# KiCad board acorn-motherboard.kicad_pcb (continued)
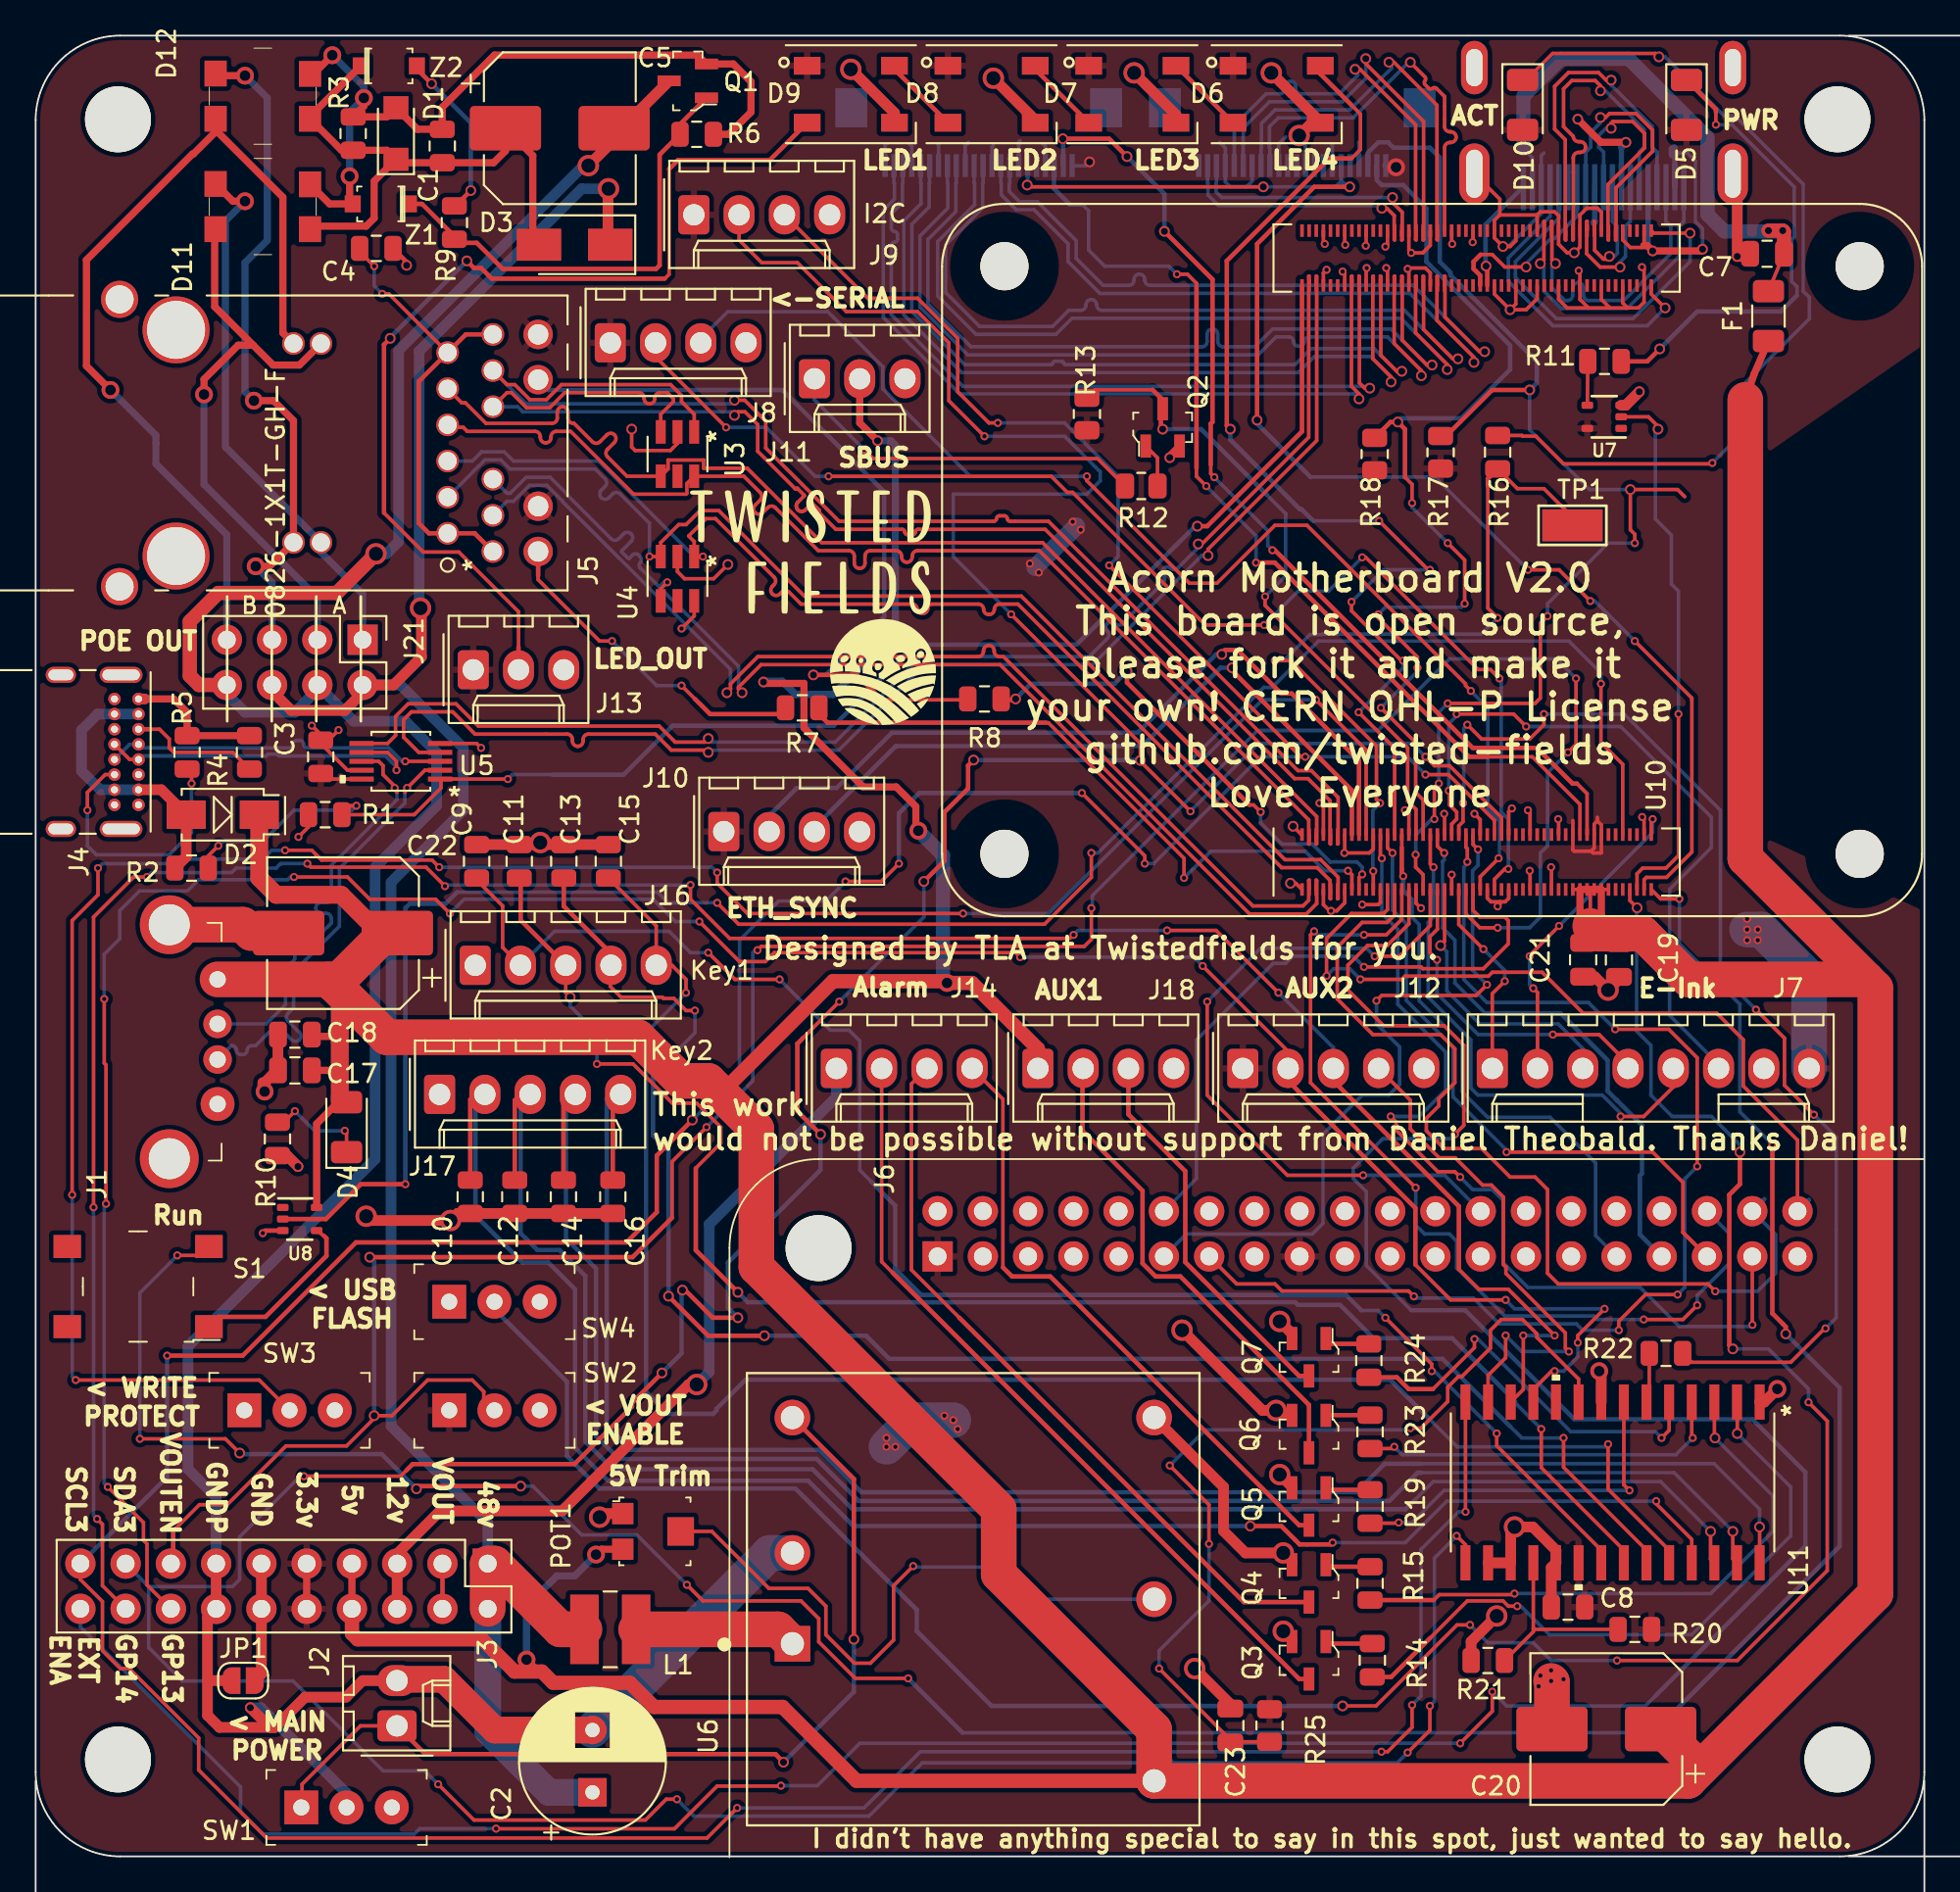
[diagram p0: board, top side]
## Footprints (pads in the part's own frame, mm; a bottom-side part is the same pattern mirrored in y, then rotated) (continued)
SOD-123
  rect 0.9x0.95 smd: A(1.575,0) K(-1.575,0)
SolderJumper-2_P1.3mm_Open_RoundedPad1.0x1.5mm
  custom 1x1.5 smd: 1(-0.65,0) 2(0.65,0)
SOT-23-3
  rect 1.3x0.6 smd: 1(-1.05,0.95) 2(-1.05,-0.95) 3(1.05,0)
SOT-353_SC-70-5
  rrect 0.65x0.4 smd: 1(-0.95,0.65) 2(-0.95,0) 3(-0.95,-0.65) 4(0.95,-0.65) 5(0.95,0.65)
Switch_Slide_9x4mm_ASE1E-2M
  rect 1.9x1.9 hole 0.9: 1(-2.54,0)
  round 1.9 hole 0.9: 2(0,0) 3(2.54,0)
Switch_Tactile_SMD_6x6mm_PTS645
  rect 1.55x1.3 smd: 1(-3.975,2.25) 2(3.975,2.25) 3(-3.975,-2.25) 4(3.975,-2.25)
TE_1747981-1
  rect 0.3x2.6 smd: 1(4.5,0.76) 2(4,0.76) 3(3.5,0.76) 4(3,0.76) 5(2.5,0.76) 6(2,0.76) 7(1.5,0.76) 8(1,0.76) 9(0.5,0.76) 10(0,0.76) 11(-0.5,0.76) 12(-1,0.76) 13(-1.5,0.76) 14(-2,0.76) 15(-2.5,0.76) 16(-3,0.76) 17(-3.5,0.76) 18(-4,0.76) 19(-4.5,0.76)
  oval 1.7x3.4 hole 0.9x2.7: SH1(-7.25,0) SH3(7.25,0)
  oval 1.5x3 hole 0.9x2.1: SH2(-7.25,-5.96) SH4(7.25,-5.96)
TestPoint_Keystone_5015_Micro-Minature
  rect 3.4x1.8 smd: 1(0,0)
Trimpot_3.8mmx3.6mm_TC33X-2-103E
  rect 1.2x1.2 smd: 1(-1,-1.8) 3(1,-1.8)
  rect 1.6x1.5 smd: 2(0,1.45)
USB_A_Female_UE27AC54100
  round 1.9 hole 0.92: 1(-3.5,2.71) 4(3.5,2.71)
  round 1.6 hole 0.92: 2(-1,2.71) 3(1,2.71)
  round 3.3 hole 2.3: SH(-6.57,0) SH(6.57,0)
USB_C_Receptacle_GCT_USB4085
  round 0.7 hole 0.4: A1(0,0) A4(0.85,0) A5(1.7,0) A6(2.55,0) A7(3.4,0) A8(4.25,0) A9(5.1,0) A12(5.95,0) B1(5.95,-1.35) B4(5.1,-1.35) B5(4.25,-1.35) B6(3.4,-1.35) B7(2.55,-1.35) B8(1.7,-1.35) B9(0.85,-1.35) B12(0,-1.35)
  oval 0.9x2.4 hole 0.6x2.1: S1(-1.35,-0.98) S1(7.3,-0.98)
  oval 0.9x1.7 hole 0.6x1.4: S1(-1.35,-4.36) S1(7.3,-4.36)
VLCF4028T-1R2N2R7-2
  rect 1.6x3.9 smd: 1(-1.45,0) 2(1.45,0)

## Nets
+3V3: C3.2 C8.2 D5.2 D6.1 D7.1 D8.1 D9.1 D10.2 J3.9 J3.10 J5.18 J5.20 J6.1 J6.17 J7.8 J8.1 J9.1 J10.1 J12.1 J13.1 J19.22 J20.22 R13.2 R17.1 R18.1 R20.2 R25.2 SW2.1 U5.10 U7.5 U10.78 U10.84 U10.86 U11.20
+5V: C17.1 C18.1 C19.1 C20.1 C21.1 C22.1 D2.1 D4.2 F1.1 J1.1 J3.7 J3.8 J11.2 J18.1 POT1.3 U6.3 U8.5 U10.77 U10.79 U10.81 U10.83 U10.85 U10.87
+15V: J3.5 J3.6 J14.1
+48V: C2.1 D3.1 J3.1 J3.2 J21.2 J21.6 L1.2
GND: C3.1 C4.2 C7.2 C8.1 C9.1 C10.1 C11.1 C12.1 C13.1 C14.1 C15.1 C16.1 C17.2 C18.2 C19.2 C20.2 C21.2 C22.2 C23.1 D6.3 D7.3 D8.3 D9.3 J1.4 J1.SH J3.11 J3.12 J4.A1 J4.A12 J4.B1 J4.B12 J4.S1 J6.6 J6.9 J6.14 J6.20 J6.25 J6.30 J6.34 J6.39 J7.7 J8.4 J9.4 J10.4 J11.3 J12.5 J13.3 J15.2 J15.5 J15.8 J15.11 J15.17 J15.SH1 J15.SH2 J15.SH3 J15.SH4 J16.1 J17.1 J18.4 J19.1 J19.4 J19.7 J19.10 J19.13 J19.16 J19.19 J20.1 J20.4 J20.7 J20.10 J20.13 J20.16 J20.19 JP1.2 POT1.1 Q2.2 Q3.2 Q4.2 Q5.2 Q6.2 Q7.2 R1.2 R4.1 R5.1 R10.2 R21.1 SW3.1 SW4.1 U3.2 U4.2 U5.5 U5.9 U6.5 U7.3 U8.3 U10.1 U10.2 U10.7 U10.8 U10.13 U10.14 U10.22 U10.23 U10.32 U10.33 U10.42 U10.43 U10.52 U10.53 U10.59 U10.60 U10.65 U10.66 U10.71 U10.74 U10.98 U10.107 U10.108 U10.113 U10.114 U10.119 U10.120 U10.125 U10.126 U10.131 U10.132 U10.137 U10.138 U10.144 U10.150 U10.155 U10.156 U10.161 U10.162 U10.167 U10.168 U10.173 U10.174 U10.179 U10.180 U10.185 U10.186 U10.191 U10.192 U10.197 U10.198 U11.1 U11.8 U11.16 U11.17 U11.19
GNDPWR: C2.2 C5.2 J2.2 J3.13 J3.14 J21.4 J21.8 JP1.1 Q1.3 SW1.2 U6.2
/CAM0_C_N: J19.8 U10.140
/CAM0_C_P: J19.9 U10.142
/CAM0_D0_N: J19.2 U10.128
/CAM0_D0_P: J19.3 U10.130
/CAM0_D1_N: J19.5 U10.134
/CAM0_D1_P: J19.6 U10.136
/CAM1_C_N: J20.8 U10.127
/CAM1_C_P: J20.9 U10.129
/CAM1_D0_N: J20.2 U10.115
/CAM1_D0_P: J20.3 U10.117
/CAM1_D1_N: J20.5 U10.121
/CAM1_D1_P: J20.6 U10.123
/CAM1_D2_N: J20.11 U10.133
/CAM1_D2_P: J20.12 U10.135
/CAM1_D3_N: J20.14 U10.139
/CAM1_D3_P: J20.15 U10.141
/HDMI0_CEC: J15.13 U10.151
/HDMI0_CK_N: J15.12 U10.190
/HDMI0_CK_P: J15.10 U10.188
/HDMI0_D0_N: J15.9 U10.184
/HDMI0_D0_P: J15.7 U10.182
/HDMI0_D1_N: J15.6 U10.178
/HDMI0_D1_P: J15.4 U10.176
/HDMI0_D2_N: J15.3 U10.172
/HDMI0_D2_P: J15.1 U10.170
/HDMI0_HOTPLUG: J15.19 U10.153
/HDMI0_SCL: J15.15 U10.200
/HDMI0_SDA: J15.16 U10.199
/HDMI_5v: C7.1 F1.2 J15.18
A2: R20.1 R21.2 U11.18
CAM0_SCL: J19.20 R17.2 U10.35
CAM0_SDA: J19.21 R18.2 U10.36
CAM1_SCL: J20.20 U10.80
CAM1_SDA: J20.21 U10.82
CAM_GPIO: J19.17 J20.17 U10.97
CS1: J6.12 U10.49
CS2: J6.11 U10.50
CS3: J6.36 U10.29
EEPROM_nWP: SW3.2 U10.20
EPD_BUSY: J7.1 U10.45
EPD_CS: J7.4 U10.39
EPD_DC: J7.3 U10.41
EPD_DIN: J7.6 U10.44
EPD_RESET: J7.2 U10.100
EPD_SCK: J7.5 U10.38
ESTOP_IN: J6.31 U10.30
ESTOP_RETURN: J6.33 U10.40
ETH_LEDG: R8.2 U10.17
ETH_LEDY: R7.2 U10.15
ETH_SYNC_IN: J10.3 U10.16
ETH_SYNC_OUT: J10.2 U10.18
EXT_PSU_ENABLE: J3.20 U10.31
GLOBAL_EN: S1.3 U10.99
GP0: C9.2 J16.2 U11.21
GP1: C11.2 J16.3 U11.22
GP2: C13.2 J16.4 U11.23
GP3: C15.2 J16.5 U11.24
GP4: C10.2 J17.2 U11.25
GP5: C12.2 J17.3 U11.26
GP6: C14.2 J17.4 U11.27
GP7: C16.2 J17.5 U11.28
GP8: R14.1 U11.2
GP9: R15.1 U11.3
GP10: R19.1 U11.7
GP11: R23.1 U11.4
GP12: R24.1 U11.5
GP13: J3.16 J12.2 U11.11
GP14: J3.18 J12.3 U11.12
GP15: J12.4 U11.13
GPIO_INT: R22.1 U10.46
IRQ1: J6.37 U10.24
IRQ2: J6.13 U10.48
IRQ3: J6.26 U10.37
MISO: J6.35 U10.26
MOSI: J6.38 U10.27
nPWR_LED: U7.2 U10.95
nRPI_BOOT: SW4.2 U10.93
RC_SBUS: J11.1 R12.1
RUN_PG: U8.2 U10.92
RX: J8.3 U10.51
SBUS_RX: Q2.3 R13.1 U10.34
SCL3: J3.19 J9.3 U10.56 U11.14
SCLK: J6.40 U10.25
SDA3: J3.17 J9.2 U10.58 U11.15
TRD0_N: J5.10 U3.3 U10.10
TRD0_P: J5.11 U3.1 U10.12
TRD1_N: J5.5 U3.4 U10.6
TRD1_P: J5.4 U3.6 U10.4
TRD2_N: J5.2 U4.3 U10.11
TRD2_P: J5.3 U4.1 U10.9
TRD3_N: J5.9 U4.4 U10.5
TRD3_P: J5.8 U4.6 U10.3
TX: J8.2 U10.55
USB_N: U5.6 U10.103
USB_OTG: R1.1 R2.2 U5.1 U10.101
USB_P: U5.4 U10.105
USBA_D_N: J1.2 U5.8
USBA_D_P: J1.3 U5.2
USBC_D_N: J4.A7 J4.B7 U5.7
USBC_D_P: J4.A6 J4.B6 U5.3
USBC_VBUS_IN: D2.2 J4.A4 J4.A9 J4.B4 J4.B9 R2.1
VC1: D11.1 J5.13 J21.1
VC2: D11.2 J5.14 J21.3
VC3: D12.1 J5.15 J21.5
VC4: D12.2 J5.16 J21.7
VOUT: J3.3 J3.4
VOUT_ENABLE: J3.15 SW2.2 U10.47
VOUTN: C1.2 D1.2 D11.3 D12.3 Q1.2 R3.1 R6.1 Z1.A
VOUTP: C1.1 C5.1 D1.1 D3.2 D11.4 D12.4 R3.2 Z2.K
WS2812: D6.4 U10.28
Net-(C4-Pad1): C4.1 J5.1 J5.6 J5.7 J5.12
Net-(C23-Pad2): C23.2 R25.1 U11.9
Net-(D4-Pad1): D4.1 R10.1
Net-(D5-Pad1): D5.1 R11.1
Net-(D6-Pad2): D6.2 D7.4
Net-(D7-Pad2): D7.2 D8.4
Net-(D8-Pad2): D8.2 D9.4
Net-(D9-Pad2): D9.2 J13.2
Net-(D10-Pad1): D10.1 R16.1
Net-(J2-Pad1): J2.1 SW1.1 U6.6
Net-(J4-PadA5): J4.A5 R4.2
Net-(J4-PadB5): J4.B5 R5.2
Net-(J5-Pad17): J5.17 R7.1
Net-(J5-Pad19): J5.19 R8.1
Net-(J14-Pad2): J14.2 Q3.3
Net-(J14-Pad3): J14.3 Q4.3
Net-(J14-Pad4): J14.4 Q5.3
Net-(J18-Pad2): J18.2 Q6.3
Net-(J18-Pad3): J18.3 Q7.3
Net-(L1-Pad1): L1.1 U6.1
Net-(POT1-Pad2): POT1.2 U6.4
Net-(Q1-Pad1): Q1.1 R6.2 R9.1 Z1.K
Net-(Q2-Pad1): Q2.1 R12.2
Net-(Q3-Pad1): Q3.1 R14.2
Net-(Q4-Pad1): Q4.1 R15.2
Net-(Q5-Pad1): Q5.1 R19.2
Net-(Q6-Pad1): Q6.1 R23.2
Net-(Q7-Pad1): Q7.1 R24.2
Net-(R9-Pad2): R9.2 Z2.A
Net-(R11-Pad2): R11.2 U7.4
Net-(R16-Pad2): R16.2 TP1.1 U10.21
Net-(R22-Pad2): R22.2 U11.6
Net-(S1-Pad1): S1.1 U8.4

Pads without a net: J4 A8 B8; J5 21 22 23 24; J6 2 3 4 5 7 8 10 15 16 18 19 21 22 23 24 27 28 29 32; J15 14; J19 11 12 14 15 18 MP; J20 18 MP; S1 2 4; SW1 3; SW2 3; SW3 3; SW4 3; U3 5; U4 5; U7 1; U8 1; U10 19 54 57 61 62 63 64 67 68 69 70 72 73 75 76 88 89 90 91 94 96 102 104 106 109 110 111 112 116 118 122 124 143 145 146 147 148 149 152 154 157 158 159 160 163 164 165 166 169 171 175 177 181 183 187 189 193 194 195 196; U11 10

## Via types
v1: diameter 0.6, hole 0.4, Top to Bottom, 114 vias
v2: diameter 0.45, hole 0.25, Top to Bottom, 276 vias
v3: diameter 1.2, hole 0.8, Top to Bottom, 24 vias
v4: diameter 1, hole 0.6, Top to Bottom, 17 vias

## Routing (per net, layer and track width the routed paths; a pad name or vN(x,y) marks a point on that pad's centre or on a via; arc(x,y) is an arc through that point)
+3V3: length 32.3
  Top w0.2: U5.10 16.32,60.5 C3.2 ; 86.27,58.17 U10.78 86.27,56.53 86.35,56.45 87.3,56.45 ; 15.56,60.5 15.5,60.56 ; 87.65,58.15 87.65,58.35 ; 87.65,58.15 87.47,57.97 U10.84 87.47,56.62 87.3,56.45 ; 87.65,58.15 87.87,57.93 U10.86 87.87,56.37 87.85,56.35 87.4,56.35 87.3,56.45
  Top w0.25: 23.27,24.35 22.55,24.35
  Top w0.4: 43.1,100.36 D9.1 ; J3.9 J3.10
  Bottom w0.2: v1(59.15,95.16) 58.94,94.95 J20.22
  Bottom w0.4: J19.22 76.26,94.95 v4(76.35,94.86)
  Bottom w1: 58.4,74.7 56.1,72.4
  Bottom w2: v2(47.75,23) 49.25,24.5 v2(51.5,24.5) ; v2(96.05,52.05) 96.85,52.05 99.53,49.37 J7.8
  vias: v2(47.75,23.5) v2(48.25,23) v2(51,24.75) v2(51.75,24) v2(55.8,72.6) v2(56.3,72.1) v2(58.2,74.95) v2(58.65,74.5) v2(96.05,52.65) v2(96.05,51.45) v2(96.65,52.05) v2(96.65,51.45)
+5V: length 394.9
  Top w0.2: 87.25,52.25 87.25,54.25 87.2,54.3 U10.81 ; U10.77 U10.79 ; U10.85 U10.87
  Top w0.4: U8.5 15.77,41.14 17.35,42.72 ; F1.1 96.45,83.25 95.95,81.8 ; POT1.3 31.75,17.25 v4(31.45,16.95) ; 17.07,45.73 16.75,46.05 15.5,46.05 ; 28.41,10.38 28.22,10.38 v4(27.55,11.05) ; J11.2 46.25,80.5 v1(47.25,79.5) ; 17.07,44.27 16.94,44.14 C17.1 ; v1(40.85,65.95) 40.93,65.87 43.12,65.87 43.12,63.38 46.44,60.06 48.3,60.06 49.4,58.96 49.4,57.74 v4(49.54,57.6) ; J3.7 J3.8 ; U10.79 U10.81 U10.83 U10.85 87.87,52.87 87.25,52.25 86.67,52.83 U10.79
  Top w0.8: J18.1 56.25,45.35 52.55,49.05 v4(51.15,49.05) 51.05,49.15 44.75,49.15 38.45,42.85 ; J3.8 17.75,12.51 18.07,12.19 25.06,12.19 26.87,10.38 28.41,10.38 29.04,9.75 33.35,9.75 34.71,8.39 41.92,8.39 46.07,4.24 U6.3
  Top w1: 19.3,51.85 17.15,54 13.5,54 12.55,54.95 D2.1 ; 16.75,48.95 17.07,48.63 17.07,42.44
  Top w2: 92.74,4.24 U6.3 62.77,7.13 54.05,15.85 54.05,19.5 40.45,33.1 40.45,40.85 37.75,43.55 36.25,43.55 33.8,46 19.7,46 16.75,48.95 ; 92.74,4.24 92.74,5.61 C20.1 ; 92.74,4.24 103.25,14.75 103.25,48.75 102.75,49.25 ; 102.75,49.25 92.77,49.25 90.2,51.82 87.68,51.82 87.25,52.25 ; 102.75,49.25 95.95,56.05 95.95,81.8 ; J1.1 16.45,49.25 16.75,48.95 ; 16.75,48.95 19.65,51.85 C22.1
  Bottom w0.4: v4(27.55,11.05) 27.55,14.05 29.25,15.75 30.25,15.75 v4(31.45,16.95) ; v1(47.25,79.5) 48,79.5 48.25,79.25 48.25,68.75 44.75,65.25 42.65,65.25 41.9,66 40.9,66 v1(40.85,65.95)
  Bottom w0.8: v4(51.15,49.05) 50.92,49.28 50.92,56.22 v4(49.54,57.6)
+15V: length 44.8
  Top w0.6: v3(37.1,26.5) 36.65,26.5 29.55,19.4 22.7,19.4 20.29,16.99 J3.5 J3.6
  Bottom w0.6: v3(37.1,26.5) 37.8,27.2 37.8,35.5 44.94,42.64 J14.1
+48V: length 125.9
  Top w0.6: J21.6 13.27,65.43 14.35,64.35 17.35,64.35 18.35,65.35 J21.2 20.08,65.78 21.65,67.35 21.65,70.05 v3(21.6,70.1) ; v3(32.15,93.65) 32.12,93.62 32.12,90.55
  Top w2: L1.2 29.45,12.75 25.76,16.44 J3.1 J3.2
  Bottom w0.6: J3.1 25.37,18.74 19.95,24.16 19.95,54.7 24,58.75 24,62.25 20.47,65.78 J21.2 ; v3(21.6,70.1) 21.52,70.18 21.52,84.52 30.65,93.65 v3(32.15,93.65)
  Bottom w1.5: J3.2 25.37,7.03 28.8,3.6 C2.1
GND: length 275.2
  Top w0.2: 84.27,92.18 84.45,92.36 85.25,92.36 85.47,92.14 U10.174 85.47,90.54 85.95,90.06 v1(86.35,90.06) 86.67,90.38 U10.180 86.67,92.18 87.05,92.56 87.65,92.56 87.87,92.34 U10.186 ; 84.27,92.18 U10.168 ; 84.27,92.18 82.17,92.18 ; v2(75.8,89.2) 75.87,89.13 U10.125 ; 87.15,86.96 85.95,86.96 85.47,87.44 U10.173 ; 87.15,86.96 86.67,87.44 U10.179 86.67,88.98 v2(86.6,89.05) ; 87.15,86.96 88.35,86.96 ; U10.131 77.07,89.08 v2(77,89.15) 77.05,89.2 78,89.2 78.27,88.93 U10.137 ; v1(82.75,86.86) 81.87,87.74 U10.155 ; v1(82.75,86.86) 83.07,87.18 U10.161 ; v1(82.75,86.86) 83.65,86.86 84.27,87.48 U10.167 ; v2(74.7,89.2) 74.67,89.17 U10.119 ; v2(76.85,58.75) 77.07,58.53 U10.32 ; 88.35,86.96 87.87,87.44 U10.185 ; 88.35,86.96 89.35,86.96 ; 82.17,92.18 81.87,91.88 U10.156 81.87,90.89 v1(82.35,90.41) ; 82.17,92.18 82.17,93.07 J15.SH1 ; U10.23 75.47,53.57 75.35,53.45 v2(74.45,53.45) ; U10.1 70.72,54.65 v1(70.42,54.65) ; R1.2 15.31,57.81 v2(14.75,57.25) ; U10.74 85.47,58.23 v2(85.45,58.25) ; v2(82.85,58.85) 82.67,58.67 U10.60 ; U10.150 80.67,90.67 v2(80.65,90.65) ; 82.19,53.61 82.47,53.61 82.67,53.8 U10.59 ; 82.19,53.61 82.19,53.49 v2(82.05,53.35) ; 82.19,53.61 81.68,53.61 81.47,53.81 U10.53 ; U10.7 72.27,53.45 72.62,53.1 73.02,53.1 73.47,53.55 U10.13 ; U10.191 89.07,87.24 89.35,86.96 ; U10.126 75.87,90.52 v2(75.75,90.4) ; v2(17,63.25) 16.44,62.69 C3.1 ; v1(82.35,90.41) 82.3,90.46 ; v1(82.35,90.41) 82.75,90.41 83.07,90.73 U10.162 ; 89.35,86.96 89.95,86.96 90.27,87.28 U10.197 90.27,89.13 v2(90.15,89.25) ; v2(85.05,55.55) 85.07,55.53 U10.71 ; U10.198 90.27,90.48 90.14,90.35 89.5,90.35 89.07,90.78 U10.192 ; v1(70.57,57.85) 71.04,57.38 U10.2 ; v2(15.5,63.5) 16,63 C3.1 ; v2(77.75,53.25) 77.47,53.53 U10.33 ; U10.65 83.87,55.33 v2(83.85,55.35) ; U10.138 78.27,90.47 77.85,90.05 v2(77.2,90.05) 77.07,90.18 U10.132 ; U4.2 36.02,72.15 36.42,71.75 38.05,71.75 v1(38.85,72.55) ; C3.1 16,62.5 17.5,61 U5.9 ; v2(83.75,58.75) 83.87,58.63 U10.66 ; v2(73.5,90.5) 73.47,90.53 U10.114 ; U10.113 73.47,88.88 v2(73.35,89) ; U10.52 81.07,58.23 v2(80.75,58.55) ; v2(74.65,90.45) 74.67,90.47 U10.120 ; U10.22 75.07,56.57 74.85,56.35 v2(73.45,56.35) 73.47,56.37 U10.14 ; v2(72.45,89.1) 72.27,88.92 U10.107 ; U10.108 72.27,90.63 v2(72.35,90.55) ; U10.43 v2(79.47,55.13) 79.45,55.15 ; v2(79.5,90.55) 79.47,90.58 U10.144 ; v1(33.45,80.15) 33.45,79.15 33.65,78.95 35.62,78.95 36.02,79.35 U3.2 ; U10.98 90.27,58.26 v2(90.16,58.37) ; v2(25,62.25) 24.75,62.5 U5.5 ; v2(79.05,58.55) 79.07,58.53 U10.42 ; U10.8 72.27,58.93 v2(72.05,59.15) ; 90.65,90.06 v1(90.75,90.16)
  Top w0.25: U8.3 12.89,35.14 v2(12.75,35) ; C4.2 20.82,89.54 v1(20.82,89.35)
  Top w0.4: Q2.2 63.65,78.65 v1(63.65,78.55) ; 93.61,90.2 v1(93.55,90.26) 93.45,90.16 v1(90.75,90.16) 90.45,90.46 90.25,90.46 ; v1(86.55,97.56) 87.85,96.26 v1(89.25,96.26) ; 6.12,65 7.75,65 8.5,64.25 R5.1 R4.1
  Top w0.6: v3(31.65,19.05) 31.85,19.25 POT1.1 ; D7.3 64,97.81 v3(61.65,100.16) ; 24.64,56.82 C11.1 28.21,56.82 v3(28.32,56.93) 28.43,56.82 C13.1 C15.1 ; J15.SH3 95.5,94.24 v1(95.5,89.85) 96.07,89.85 C7.2 ; C21.2 87.5,49.4 v3(88.25,48.65) 88.86,49.26 C19.2 ; Q6.2 69.9,24.76 v3(69.62,25.04) 68.85,25.04 v3(64.34,29.55) ; v4(87.75,27.25) 87.87,27.14 U11.8 ; 12.75,43.45 12.75,43.05 v4(12.85,42.95) 12.85,43.45 13.6,44.2 13.6,46.05 ; Q7.2 70.51,29.35 v3(69.82,30.04) ; Q5.2 70.51,20.75 v3(69.82,21.44) ; v3(69.35,100.16) 72.1,97.41 D6.3 71.63,97.36 v3(70.91,96.64) ; v3(82,13.5) 80.56,12.06 R21.1 ; v3(18.55,35.95) 18.79,35.71 v3(23.28,35.71) 23.67,36.1 C10.1 C12.1 C14.1 C16.1 ; Q3.2 70.51,12.15 v3(70.02,12.64) ; U6.5 66.67,20.74 66.67,18.27 67.9,17.04 v3(70.02,17.04) 70.51,16.55 Q4.2 ; U11.16 U11.17 82.78,18.28 v3(83,18.5) 84.02,18.5 85.32,17.2 U11.19 85.06,16.22 C8.1 ; v1(90,82.25) 89.24,81.49 U7.3 ; C23.1 67.05,8.55 v3(65.05,10.55) ; v4(97.75,26.25) 97.01,25.52 U11.1 ; J4.A1 6.12,65 ; JP1.2 12.67,10.25 J3.12 J3.11 ; v3(53.75,99.86) 56.1,97.51 D8.3 ; R10.2 14.11,39.35 v1(14.72,38.74) ; D9.3 48.2,97.91 v3(45.75,100.36)
  Top w2: v2(85.05,9.85) 85.1,9.8 C20.2 ; 12.1,51.85 11.63,52.32 J1.SH
  Bottom w0.2: J20.13 53.67,95.98 53.75,96.06 ; v1(82.35,90.41) 82.4,90.46 82.7,90.46 84.5,92.25 84.5,95.5 84.65,95.66 ; J20.10 52.17,96.08 52.35,96.26 ; 66.45,96.26 66.77,95.94 J19.4 66.77,94.04 67.05,93.76 67.95,93.76 68.27,94.08 J19.7 ; 71.25,96.06 71.27,96.04 J19.13 ; 70.15,96.56 69.77,96.18 J19.10 ; J20.4 49.17,96.04 49.05,96.16 ; 74.25,96.26 74.27,96.24 J19.19 ; 92,93.76 92,95.45 92.2,95.66 92.7,95.66 93.15,95.21 93.15,91.81 93.55,91.41 v1(93.55,90.26) ; J19.16 72.77,96.14 72.75,96.16 ; J20.16 55.17,96.28 55.25,96.36 ; J20.7 50.67,96.14 50.65,96.16 ; 47.75,96.16 47.67,96.08 J20.1 ; J20.19 56.67,96.04 56.55,96.16 ; 39.86,85.24 39.48,85.24
  Bottom w0.3: 90.5,93.76 90.5,90.41 ; 91.85,95.56 92,95.41 92,93.76 ; 89,93.76 89,96 ; 87.5,93.76 87.5,91.8
  Bottom w0.4: 89,96 v1(89.25,96.26) ; 87.5,91.8 87.45,91.76 ; 90.5,90.41 v1(90.75,90.16) ; 91.95,95.96 91.85,95.86 91.85,95.56
  vias: v2(72.7,53.1) v2(84.35,9.55) v2(84.45,10.15) v2(85.05,10.45) v2(85.75,9.95)
GNDPWR: length 178.9
  Top w0.6: v1(12.05,8.35) 13.16,7.24 13.42,7.24 ; 13.42,7.24 10.32,7.24 9.65,7.92 9.65,9.87 ; 13.42,7.24 15.12,8.94 17.42,8.94 18.35,9.87 J2.2 ; C5.2 32.89,97.05 Q1.3 ; v3(31.02,94.95) 32.92,96.85 32.92,97.05 ; 17.42,2.8 17.46,2.76 17.46,3.2 ; 9.65,9.87 9.65,13.42 J3.14 J3.13 ; 9.65,9.87 JP1.1
  Top w0.8: v3(19.1,73.15) 16.9,70.95 10.25,70.95 8.65,69.35 8.65,66.3 9.17,65.78 J21.8
  Top w1.5: J2.2 20.35,9.94 22.92,9.94 25.77,7.1 C2.2
  Bottom w0.6: SW1.2 17.45,3.55 12.65,8.35 v1(12.05,8.35) ; v3(19.1,73.15) 19.69,73.15 20.37,73.83 20.37,84.58 30.74,94.95 v3(31.02,94.95) ; J21.8 10.73,65.27 11.75,64.25 14.55,64.25 15.81,65.51 J21.4 17.84,63.75 20.75,63.75 22.5,62 22.5,59 19.05,55.55 19.05,39.15 8.55,28.65 8.55,21.75 10.13,20.17 J3.13
  Bottom w1.5: U6.2 42.02,17.04
  Bottom w2: 42.02,17.04 41.19,17.04 C2.2
/CAM0_C_N: length 23.2
  Top w0.2: v1(75.95,100.76) 76.23,100.76 78.65,98.34 78.65,90.8 78.67,90.77 U10.140
  Bottom w0.2: v1(75.95,100.76) 76.1,100.61 76.1,100.43 73.76,98.08 69.56,98.08 68.8,97.32 68.8,95.95 68.77,95.93 J19.8
/CAM0_C_P: length 23
  Top w0.2: 79.07,97.58 79.07,97.15 arc(79.16,96.94) 79.37,96.85 79.42,96.85 arc(79.63,96.76) 79.72,96.55 arc(79.63,96.34) 79.42,96.25 79.37,96.25 arc(79.16,96.16) 79.07,95.95 U10.142 ; 79.07,97.58 79.07,97.58 ; 79.07,97.58 79.07,98.27 arc(79.07,98.27) 79.07,98.28 79.07,98.83 78.61,99.29 arc(78.51,99.33) 78.4,99.29 arc(78.29,99.24) 78.19,99.29 77.97,99.5 arc(77.93,99.61) 77.97,99.71 arc(78.02,99.82) 77.97,99.92 v1(77.15,100.75)
  Bottom w0.2: J19.9 69.27,95.93 69.25,95.95 69.25,97.14 69.74,97.63 73.94,97.63 77.06,100.75 v1(77.15,100.75)
/CAM0_D0_N: length 14.5
  Top w0.2: U10.128 76.27,90.77 76.25,90.8 76.25,92.14 75.83,92.56 v1(75.55,92.56)
  Bottom w0.2: v1(75.55,92.56) 75.4,92.71 66.38,92.71 65.8,93.29 65.8,93.95 65.77,93.97 J19.2
/CAM0_D0_P: length 14.7
  Top w0.2: U10.130 76.67,90.77 76.7,90.8 76.7,92.33 76.15,92.88 v1(76.15,93.16)
  Bottom w0.2: J19.3 66.27,93.97 66.25,93.95 66.25,93.48 66.57,93.16 v1(76.15,93.16)
/CAM0_D1_N: length 23.3
  Top w0.2: U10.134 77.47,90.77 77.45,90.8 77.45,97.24 74.33,100.36 v1(74.05,100.36)
  Bottom w0.2: v1(74.05,100.36) 74.2,100.21 74.2,100.03 73.16,98.98 71.02,98.98 arc(70.81,99.07) 70.72,99.28 70.72,99.39 arc(70.63,99.6) 70.42,99.69 arc(70.21,99.6) 70.12,99.39 70.12,99.28 arc(70.03,99.07) 69.82,98.98 69.06,98.98 67.27,97.2 J19.5
/CAM0_D1_P: length 23.3
  Top w0.2: U10.136 77.87,90.77 77.9,90.8 77.9,97.43 74.65,100.68 v1(74.65,100.96)
  Bottom w0.2: J19.6 67.77,97.06 69.24,98.53 73.34,98.53 74.65,99.84 v1(74.65,100.96)
/CAM1_C_N: length 46.7
  Top w0.2: v1(77.77,83.15) 77.77,83.43 76.25,84.96 76.25,88.72 76.27,88.75 U10.127
  Bottom w0.2: J20.8 51.17,93.97 51.2,93.95 51.2,92.56 49.62,90.99 49.62,87.01 52.31,84.33 68.61,84.33 69.61,85.33 70.35,85.33 arc(70.53,85.25) 70.6,85.07 arc(70.68,84.88) 70.86,84.81 70.95,84.81 arc(71.13,84.88) 71.2,85.07 arc(71.28,85.25) 71.46,85.33 75.88,85.33 77.77,83.43 v1(77.77,83.15)
/CAM1_C_P: length 46.8
  Top w0.2: v1(78.37,83.75) 78.09,83.75 76.7,85.14 76.7,88.72 76.67,88.75 U10.129
  Bottom w0.2: v1(78.37,83.75) 78.09,83.75 76.06,85.78 69.43,85.78 68.43,84.78 66.65,84.78 arc(66.43,84.86) 66.35,85.08 66.35,85.47 arc(66.26,85.69) 66.05,85.78 arc(65.83,85.69) 65.75,85.47 65.75,85.08 arc(65.66,84.86) 65.45,84.78 52.49,84.78 50.07,87.19 50.07,90.81 51.65,92.38 51.65,93.95 51.67,93.97 J20.9
/CAM1_D0_N: length 45
  Top w0.2: v1(74.27,81.85) 74.27,82.13 73.85,82.56 73.85,88.72 73.87,88.75 U10.115
  Bottom w0.2: v1(74.27,81.85) 73.99,82.13 51.87,82.13 47.57,86.42 47.57,92.44 48.2,93.06 48.2,93.95 48.17,93.97 J20.2
/CAM1_D0_P: length 44.8
  Top w0.2: U10.117 74.27,88.75 74.3,88.72 74.3,82.74 74.59,82.45 v1(74.87,82.45)
  Bottom w0.2: J20.3 48.67,93.97 48.65,93.95 48.65,92.88 48.03,92.26 48.03,91.42 arc(48.08,91.3) 48.2,91.25 arc(48.32,91.2) 48.38,91.08 48.38,90.83 arc(48.32,90.7) 48.2,90.65 arc(48.08,90.6) 48.03,90.47 48.03,86.58 52.05,82.55 74.77,82.55 v1(74.87,82.45)
/CAM1_D1_N: length 45.5
  Top w0.2: v1(76.07,82.8) 76.07,83.08 75.05,84.11 75.05,88.72 75.07,88.75 U10.121
  Bottom w0.2: v1(76.07,82.8) 76.07,83.08 74.93,84.22 71.76,84.22 70.86,83.33 51.97,83.33 48.72,86.58 48.72,91.84 49.7,92.81 49.7,93.95 49.67,93.97 J20.5
/CAM1_D1_P: length 45
  Top w0.2: v1(76.67,83.4) 76.39,83.4 75.5,84.29 75.5,88.72 75.47,88.75 U10.123
  Bottom w0.2: v1(76.67,83.4) 76.39,83.4 75.11,84.67 71.58,84.67 70.68,83.78 57.78,83.78 arc(57.72,83.8) 57.69,83.87 arc(57.66,83.93) 57.6,83.96 57.18,83.96 arc(57.12,83.93) 57.09,83.87 arc(57.06,83.8) 57,83.78 52.14,83.78 49.18,86.74 49.18,91.66 50.15,92.63 50.15,93.95 50.17,93.97 J20.6
/CAM1_D2_N: length 45.9
  Top w0.2: U10.133 77.47,88.75 77.45,88.72 77.45,85.56 79.22,83.78 v1(79.22,83.5)
  Bottom w0.2: v1(79.22,83.5) 79.22,83.78 76.63,86.38 58.16,86.38 57.26,85.47 52.78,85.47 50.62,87.63 50.62,90.69 52.7,92.76 52.7,93.95 52.67,93.97 J20.11
/CAM1_D2_P: length 45.9
  Top w0.2: U10.135 77.87,88.75 77.9,88.72 77.9,85.74 79.54,84.1 v1(79.82,84.1)
  Bottom w0.2: v1(79.82,84.1) 79.54,84.1 76.81,86.83 59.85,86.83 arc(59.63,86.91) 59.55,87.12 59.55,87.13 arc(59.46,87.34) 59.25,87.43 arc(59.03,87.34) 58.95,87.13 58.95,87.12 arc(58.86,86.91) 58.65,86.83 57.98,86.83 57.08,85.92 52.96,85.92 51.07,87.81 51.07,90.5 53.15,92.57 53.15,93.95 53.17,93.97 J20.12
/CAM1_D3_N: length 39.1
  Top w0.2: U10.139 78.67,88.75 78.65,88.72 78.65,86.26 80.72,84.18 v1(80.72,83.9)
  Bottom w0.2: J20.14 54.17,93.97 54.2,93.95 54.2,93.31 55.03,92.47 56.03,92.47 57.95,90.56 57.95,89.56 59.73,87.78 77.13,87.78 80.72,84.18 v1(80.72,83.9)
/CAM1_D3_P: length 39.1
  Top w0.2: v1(81.32,84.5) 81.04,84.5 79.1,86.44 79.1,88.72 79.07,88.75 U10.141
  Bottom w0.2: v1(81.32,84.5) 81.04,84.5 77.31,88.22 62.55,88.22 arc(62.33,88.31) 62.25,88.53 62.25,88.56 arc(62.16,88.77) 61.95,88.86 arc(61.73,88.77) 61.65,88.56 61.65,88.53 arc(61.56,88.31) 61.35,88.22 59.91,88.22 58.4,89.74 58.4,90.74 56.21,92.92 55.21,92.92 54.65,93.49 54.65,93.95 54.67,93.97 J20.15
/HDMI0_CEC: length 10.7
  Top w0.2: v1(83.65,89.26) 82.45,89.26 81.75,89.96 81.1,89.96
  Top w0.25: U10.151 81.07,88.79 80.7,89.16 80.7,89.56 81.1,89.96
  Bottom w0.2: v1(83.65,89.26) 83.65,89.46 85.05,90.86 85.25,90.86 86.5,92.1 86.5,93.76
/HDMI0_CK_N: length 15.2
  Top w0.2: U10.190 88.67,90.77 88.7,90.8 88.7,93.71 90.75,95.76 90.75,96.94 89.81,97.88 88.33,97.88 88.1,97.65 v1(87.82,97.65)
  Bottom w0.2: v1(87.82,97.65) 87.82,97.37 87.27,96.82 87.27,95.99 87,95.71 87,93.76
/HDMI0_CK_P: length 13.7
  Top w0.2: U10.188 88.27,90.77 88.25,90.8 88.25,93.89 90.3,95.94 90.3,96.76 89.63,97.42 88.51,97.42 88.42,97.33 v1(88.42,97.05)
  Bottom w0.2: 88,93.76 88,95.71 87.72,95.99 87.72,96.63 88.14,97.05 v1(88.42,97.05)
/HDMI0_D0_N: length 7.6
  Top w0.2: v1(88.32,89.85) 88.17,89.7 87.99,89.7 87.5,90.19 87.5,91.8 87.47,91.83 U10.184
  Bottom w0.2: 88.5,93.76 88.5,91.81 88.77,91.54 88.77,90.02 88.6,89.85 v1(88.32,89.85)
/HDMI0_D0_P: length 9.3
  Top w0.2: U10.182 87.07,91.83 87.05,91.8 87.05,90.01 87.8,89.25 v1(88.92,89.25)
  Bottom w0.2: 89.5,93.76 89.5,91.81 89.22,91.54 89.22,89.83 88.92,89.53 v1(88.92,89.25)
/HDMI0_D1_N: length 19.5
  Top w0.2: U10.178 86.27,90.77 86.3,90.8 86.3,95.39 arc(86.38,95.61) 86.6,95.69 86.69,95.69 arc(86.9,95.78) 86.99,95.99 arc(86.9,96.21) 86.69,96.29 86.6,96.29 arc(86.38,96.38) 86.3,96.59 85.75,97.14 85.75,99.26 86.21,99.72 87.53,99.72 87.82,99.43 v1(87.82,99.15)
  Bottom w0.2: 90,93.76 90,95.71 90.27,95.99 90.27,96.98 88.1,99.15 v1(87.82,99.15)
/HDMI0_D1_P: length 20.1
  Top w0.2: v1(88.42,99.75) 88.14,99.75 87.71,100.17 86.03,100.17 85.25,99.4 85.25,97 85.85,96.41 85.85,90.8 85.87,90.77 U10.176
  Bottom w0.2: 91,93.76 91,95.71 90.72,95.99 90.72,97.17 88.42,99.47 v1(88.42,99.75)
/HDMI0_D2_N: length 17.8
  Top w0.2: v1(85.3,89.45) 85.1,89.65 85.1,91.8 85.07,91.83 U10.172
  Bottom w0.2: v1(85.3,89.45) 85.1,89.25 85.1,88.09 85.81,87.38 85.97,87.38 arc(86.18,87.46) 86.27,87.67 86.27,88.08 arc(86.36,88.29) 86.57,88.38 arc(86.78,88.29) 86.87,88.08 86.87,87.67 arc(86.96,87.46) 87.17,87.38 89.13,87.38 91.77,90.02 91.77,91.54 91.5,91.81 91.5,93.76
/HDMI0_D2_P: length 17.9
  Top w0.2: v1(84.45,89.45) 84.65,89.65 84.65,91.8 84.67,91.83 U10.170
  Bottom w0.2: 92.5,93.76 92.5,91.81 92.22,91.54 92.22,89.83 89.31,86.92 85.63,86.92 84.65,87.91 84.65,89.25 v1(84.45,89.45)
/HDMI0_HOTPLUG: length 6.5
  Top w0.25: U10.153 81.47,89.24 v1(81.4,89.31)
  Bottom w0.25: 83.5,93.76 81.37,91.64 81.37,89.34 v1(81.4,89.31)
/HDMI0_SCL: length 22
  Top w0.2: v1(92.85,91.16) 90.81,91.16 U10.200
  Bottom w0.2: 85.5,93.76 85.5,92 83.05,89.56 83.05,88.66 85.35,86.36 89.65,86.36 92.85,89.56 v1(92.85,91.16)
/HDMI0_SDA: length 18.1
  Top w0.2: v1(91.45,86.96) 90.67,87.74 U10.199
  Bottom w0.2: 85,93.76 85,92.1 82.65,89.76 82.65,88.46 85.15,85.96 90.45,85.96 v1(91.45,86.96)
/HDMI_5v: length 32
  Top w0.2: 97.95,90.17 C7.1 F1.2
  Top w0.8: C7.1 98.12,91.23 v1(98.05,91.3) v1(97.25,91.3)
  Bottom w0.2: 83.45,95.95 84,95.4 84,93.76
  Bottom w0.8: 83.5,95.9 83.5,98.85 85.6,100.95 89.4,100.95 93.83,96.52 93.83,92.2 94.77,91.26 98.01,91.26 v1(98.05,91.3)
A2: length 10.9
  Top w0.2: R20.1 84.11,12.75 84.06,12.81 ; R21.2 84.06,12.62 84.06,12.81 ; 84.06,12.81 U11.18
CAM0_SCL: length 71.1
  Top w0.2: v2(79.25,64.75) 84.15,64.75 84.45,65.05 84.45,69.25 v2(84.85,69.65) ; U10.35 77.87,55.13 77.45,55.55 v2(77.45,56.25) ; v2(78.5,58.25) 78.5,60 v2(78.75,60.25) ; 92.55,76.36 92.15,76.76 v1(89.5,76.76) 89.5,74.5 89.75,74.25 v2(89.75,73.75)
  Top w0.25: R17.2 79.15,79.76 81.74,82.35 v1(83.85,82.35)
  Bottom w0.2: v2(78.5,58.25) 78.35,58.25 77.45,57.35 v2(77.45,56.25) ; v2(79.25,64.75) 78.75,64.25 v2(78.75,60.25) ; v1(83.85,82.35) 83.85,80.11 87.2,76.76 v1(89.5,76.76) ; v2(89.75,73.75) 88.25,73.75 84.85,70.35 v2(84.85,69.65)
  Bottom w0.25: J19.20 74.77,95.68 75.35,96.26 75.9,96.26 76.2,95.96 78.25,95.96 78.8,95.41 78.8,89.55 79.4,88.95 79.4,88.8 84.25,83.95 84.25,82.75 v1(83.85,82.35)
CAM0_SDA: length 56.4
  Top w0.2: v2(77.25,76) 77.25,77.05 76.85,77.45 ; v2(75.5,64.5) 77.45,62.55 77.45,59.75 77.87,59.33 U10.36 ; v2(79.25,73.75) 80.2,72.8 v2(80.2,70.35) ; v2(77.55,66.75) 77.55,67.35 75.35,69.55 v2(75.35,69.75)
  Top w0.25: R18.2 76.04,80.55 v1(76.45,80.55) 76.85,80.15 76.85,77.45
  Bottom w0.2: v2(79.25,73.75) 77.25,75.75 v2(77.25,76) ; v2(80.2,70.35) 80,70.15 75.75,70.15 v2(75.35,69.75) ; v2(75.5,64.5) 77.55,66.55 v2(77.55,66.75)
  Bottom w0.25: v1(76.45,80.55) 76.66,80.76 80.01,80.76 82.75,83.5 82.75,84.86 78.05,89.56 78.05,92.56 76.75,93.86 75.55,93.86 75.27,94.14 J19.21
CAM1_SCL: length 55.4
  Top w0.2: 68.81,72.66 68.5,72.66 v2(68.49,72.65) ; v2(65.7,76.95) 65.15,77.5 65.15,77.96 ; U10.80 86.67,59.08 84,61.75 81.5,61.75 ; v2(64.05,88.85) 64.64,88.85 65.15,88.34 65.15,88.16
  Top w0.25: 81.5,61.75 80.45,61.75 69.54,72.66 68.81,72.66 ; 65.15,88.16 65.15,77.96
  Bottom w0.2: v2(64.05,88.85) 63.6,89.3 60,89.3 59.1,90.2 59.1,92.41 58.75,92.76 ; v2(68.49,72.65) 68.49,74.16 v2(65.7,76.95)
  Bottom w0.25: J20.20 57.15,94.93 57.15,93.66 58.05,92.76 58.75,92.76
CAM1_SDA: length 56.7
  Top w0.2: 65.95,78.16 65.95,77.65 v2(66.15,77.45) ; 86.5,60.25 87.07,59.68 U10.82
  Top w0.25: 86.5,60.25 86.25,60.25 84.25,62.25 80.65,62.25 69.55,73.35 v2(69.41,73.35) ; 65.95,78.16 65.95,80.46 66.05,80.56 66.05,88.56 v1(63.35,91.26) ; v1(61.25,95.46) 60.25,96.46 v1(57.65,96.46)
  Bottom w0.2: v2(69.41,73.35) 69.15,73.61 69.15,74.45 v2(66.15,77.45)
  Bottom w0.25: J20.21 57.67,96.44 v1(57.65,96.46) ; v1(63.35,91.26) 63.35,93.36 v1(61.25,95.46)
CAM_GPIO: length 80.3
  Top w0.2: v2(87.25,70.5) 85.5,72.25 v2(83.75,72.25) ; v2(89.75,68.25) 92.95,65.05 92.95,56.4 91.53,54.98 90.4,54.98 90.27,54.85 U10.97 ; v1(55.65,93.86) 55.75,93.76 v1(68.9,93.76)
  Top w0.25: v1(68.55,80.66) 68.55,90.55 71.76,93.76 v1(73.75,93.76)
  Bottom w0.2: J20.17 55.67,93.88 v1(55.65,93.86) ; v2(89.75,68.25) 87.5,70.5 v2(87.25,70.5) ; 71.55,77.46 78.54,77.46 v2(83.75,72.25) ; J19.17 73.27,94.08 72.95,93.76 v1(68.9,93.76)
  Bottom w0.25: 73.27,94.08 73.59,93.76 v1(73.75,93.76) ; 71.55,77.46 68.55,80.46 v1(68.55,80.66)
CS1: length 35.4
  Top w0.2: v2(74.55,49.95) 77.75,49.95 77.85,49.85 81.25,49.85 82.65,51.25 82.65,52.55 82.45,52.75 81.05,52.75 80.67,53.13 U10.49
  Bottom w0.2: v2(74.55,49.95) 73.95,50.55 70.55,50.55 70.15,50.15 69.45,50.15 65.15,45.85 65.15,38.06 J6.12
CS2: length 41
  Top w0.2: v2(80.95,56.55) 80.67,56.83 U10.50 ; v2(75.25,48.05) 75.55,48.35 80.85,48.35 v2(81.45,48.95)
  Bottom w0.2: v2(75.25,48.05) 75.25,46.75 76.55,45.45 76.55,43.35 75.95,42.75 74.45,42.75 72.25,40.55 72.25,35.55 71.65,34.95 64.58,34.95 J6.11 ; v2(80.95,56.55) 80.95,55.65 80.65,55.35 80.65,49.75 v2(81.45,48.95)
CS3: length 51.8
  Top w0.2: v2(90.25,30.15) 92.45,30.15 v2(93.25,30.95) ; v2(77.45,37.55) 71.55,43.45 71.55,51.75 v2(71.75,51.95) ; v2(74.55,51.75) 75.8,51.75 76.67,52.62 U10.29
  Bottom w0.2: J6.36 95.05,34.98 95.05,33.3 93.25,31.5 v2(93.25,30.95) ; v2(71.75,51.95) 71.95,51.75 v2(74.55,51.75) ; v2(77.45,37.55) 77.45,35.45 77.95,34.95 79.35,34.95 79.75,34.55 79.75,33.05 82.45,30.35 87.45,30.35 87.65,30.15 v2(90.25,30.15)
EEPROM_nWP: length 126.4
  Top w0.2: U10.20 74.67,62.13 v2(71.85,64.95) ; v2(38.25,55.25) 38.25,54.65 39.95,52.95 v2(52.05,52.95) ; v2(22.65,55.55) 22.25,55.95 16.05,55.95 15.5,56.5 v2(14,56.5) ; SW3.2 12.55,26.75 v2(2.25,26.75) ; v2(2.05,37.15) 2.05,52.55 3.5,54 v2(3.5,55.5)
  Bottom w0.2: v2(2.25,26.75) 2.05,26.95 v2(2.05,37.15) ; v2(71.85,64.95) 68.85,64.95 56.85,52.95 v2(52.05,52.95) ; v2(22.65,55.55) 37.95,55.55 v2(38.25,55.25) ; v2(14,56.5) 13.25,56.5 12.75,56 8.5,56 8.25,55.75 3.75,55.75 v2(3.5,55.5)
EPD_BUSY: length 11.4
  Top w0.2: U10.45 79.87,52.33 v2(81.25,50.95) ; J7.1 81.75,48.45 v2(82.45,49.15)
  Bottom w0.2: v2(82.45,49.15) 82.45,49.75 v2(81.25,50.95)
EPD_CS: length 18.8
  Top w0.2: J7.4 89.37,44.53 87.75,46.15 v2(85.15,46.15) ; v2(78.65,50.35) 78.25,50.75 78.25,51.65 78.67,52.07 U10.39
  Bottom w0.2: v2(78.65,50.35) 78.65,48.46 80.96,46.15 v2(85.15,46.15)
EPD_DC: length 16
  Top w0.2: v1(78.85,51.15) 79.07,51.37 U10.41
  Bottom w0.2: J7.3 86.83,45.37 85.45,46.75 81.05,46.75 79.2,48.6 79.2,50.8 v1(78.85,51.15)
EPD_DIN: length 40.2
  Top w0.2: v2(79.75,64.15) 82.95,64.15 v2(83.65,63.45) ; v2(79.31,59.85) 79.35,59.81 79.35,59.05 79.75,58.65 79.75,58.25 79.47,57.97 U10.44
  Bottom w0.2: J7.6 94.45,44.48 91.71,47.22 91.71,54.32 94.05,56.66 94.05,58.35 88.95,63.45 v2(83.65,63.45) ; v2(79.75,64.15) 79.75,64.05 79.31,63.61 v2(79.31,59.85)
EPD_RESET: length 17.9
  Top w0.2: v2(84.05,48.75) 84.29,48.51 J7.2 ; v2(83.85,50.55) 83.85,50.6 v2(85.5,52.25) ; v2(90.75,58.25) 90.67,58.17 U10.100
  Bottom w0.2: v2(85.5,52.25) 90.75,57.5 v2(90.75,58.25) ; v2(84.05,48.75) 83.85,48.95 v2(83.85,50.55)
